# Altium PCB PCB.PcbDoc (part 10 of 10)
Units mil, origin at the board's own origin, x right, y up, seen from the top; angles counter-clockwise.
Board outline 3945.89 x 2165.35 mil, 8 copper layers (Component Side, PWR, Signal 1, Signal 2, GND1, Signal 3, GND2, Solder Side), stack 68.504 mil thick; 329 components, 323 nets, 1378 pads, 692 vias.
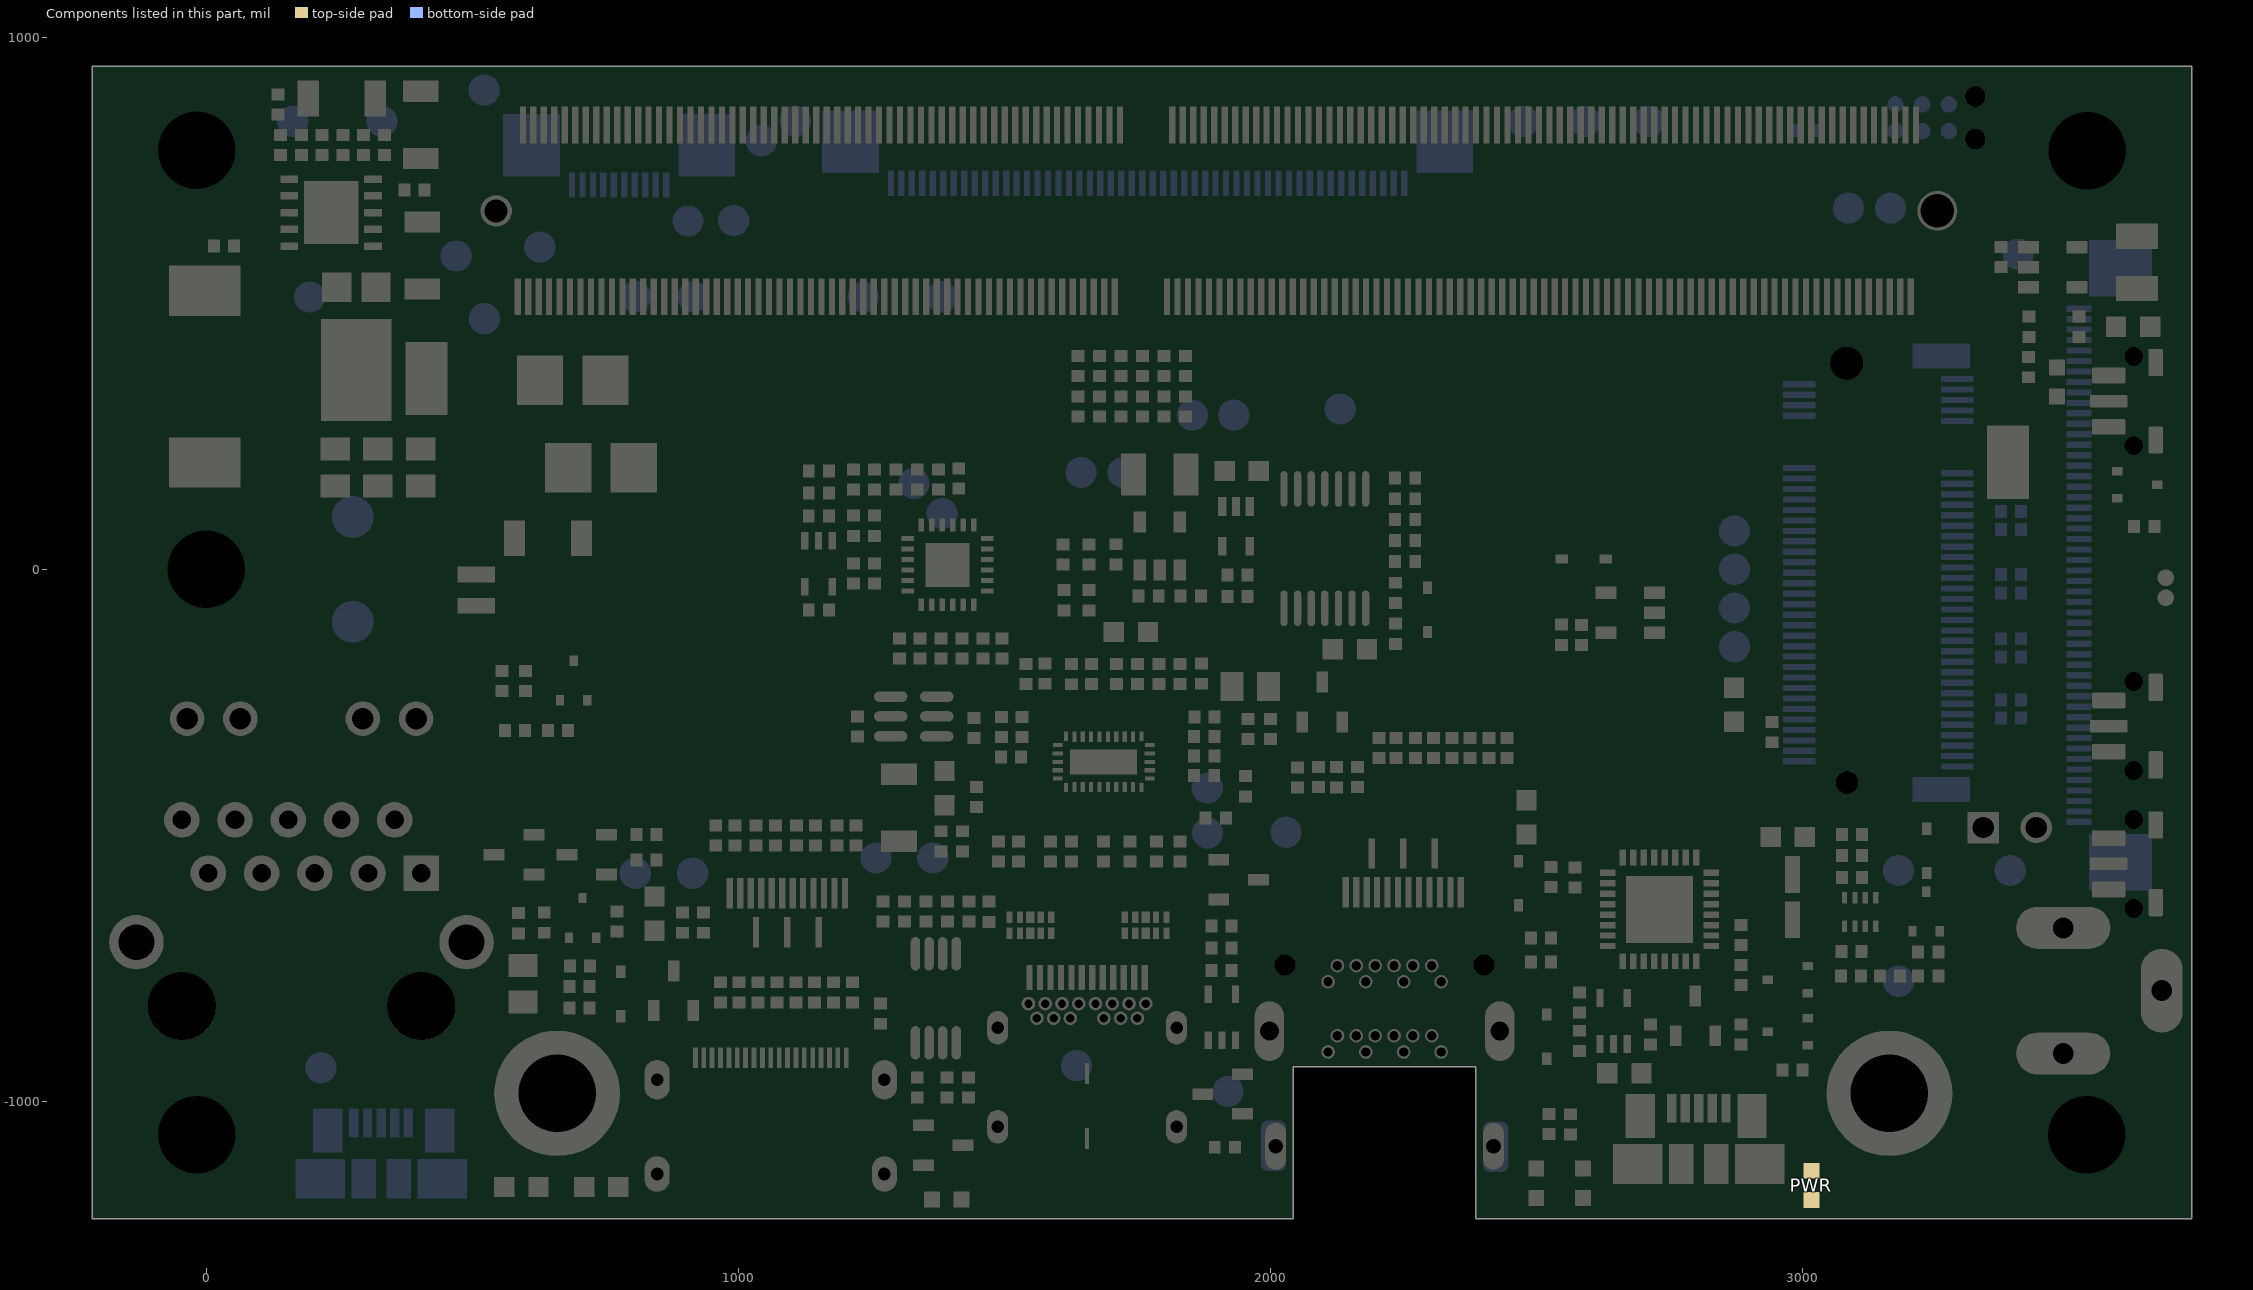
[diagram p16: the components of this part, seen from the top]

## Other copper
Component Side:
  rectangle net VDD_MOD: 584.33,276.57 670.94,869.53
  region net NetC19_2: 131.33,650 76.33,650 76.33,565 46.33,565 46.33,480 76.33,480 206.33,350 287.33,350 287.33,414 236.33,465 235.33,464 211.33,464 131.33,544
  region net GND: 440.33,575 425.33,590 283.33,590 283.33,620 282.33,621 281.33,620 219.33,620 219.33,539 255.33,503 440.33,503
  region net VIN: 328.33,853 342.33,853 370.33,825 370.33,774 391.33,753 454.33,753 454.33,674 453.33,673 429.33,673 375.33,658 375.33,634 379.33,628 472.33,628 486.33,640 491.33,645 491.33,765 391.33,865 367.33,865 342.33,890 323.33,890 322.33,891 322.33,870
  region net GND: 373.99,429.61 530.54,429.61 530.54,205 373.99,205
  region net 5V0_SYS: 214.29,179.1 608.59,179.1 608.59,24.57 340.89,24.57 340.89,78.28 214.29,78.28
  region net 5V0_SYS: -69.01,248.75 178.38,248.75 178.38,179.1 214.29,179.1 214.29,77.44 116.49,77.44 116.49,152.62 -69.01,152.62
  region net GND: 215.05,249.94 215.05,205 529.88,205 529.88,249.94
  region net VDD_MOD: 670.94,276.57 724.19,276.57 724.19,24.89 636.41,24.89 636.41,203.25 582.94,203.25 582.94,350.89 671.12,350.89
  region net GND: 687.3,540.82 687.3,309.74 759.19,309.74 759.19,22.42 871.21,22.42 871.21,401.16 767.77,401.16 767.77,540.82
Solder Side:
  rectangle net 5V0_SYS: 216.47,-146.33 361.76,-49.47
  region net VIN: 318.99,26.75 318.99,138.17 180.73,138.17 180.73,26.75
  pour cut-out: 1040.84,-100.24 ccw(c1040.84,-94.71) 1046.37,-94.71 ccw(c1040.84,-94.71) 1040.84,-89.18 ccw(c1040.84,-94.71) 1035.31,-94.71 ccw(c1040.84,-94.71)
  pour cut-out: 1020.46,-151.94 cw(c1017.64,-151.94) 1017.64,-154.76 cw(c1017.64,-151.94) 1014.82,-151.94 cw(c1017.64,-151.94) 1017.64,-149.12 cw(c1017.64,-151.94)
  pour cut-out: 1064.04,-154.76 ccw(c1064.04,-151.94) 1066.86,-151.94 ccw(c1064.04,-151.94) 1064.04,-149.12 ccw(c1064.04,-151.94) 1061.21,-151.94 ccw(c1064.04,-151.94)
  pour cut-out: 1014.13,-131.13 ccw(c1014.13,-128.31) 1016.96,-128.31 ccw(c1014.13,-128.31) 1014.13,-125.48 ccw(c1014.13,-128.31) 1011.3,-128.31 ccw(c1014.13,-128.31)
  pour cut-out: 1017.64,-107.5 ccw(c1017.64,-104.68) 1020.46,-104.68 ccw(c1017.64,-104.68) 1017.64,-101.86 ccw(c1017.64,-104.68) 1014.82,-104.68 ccw(c1017.64,-104.68)
  pour cut-out: 1040.84,-167.44 ccw(c1040.84,-161.91) 1046.37,-161.91 ccw(c1040.84,-161.91) 1040.84,-156.38 ccw(c1040.84,-161.91) 1035.31,-161.91 ccw(c1040.84,-161.91)
  pour cut-out: 1064.04,-107.5 ccw(c1064.04,-104.68) 1066.86,-104.68 ccw(c1064.04,-104.68) 1064.04,-101.86 ccw(c1064.04,-104.68) 1061.21,-104.68 ccw(c1064.04,-104.68)
  pour cut-out: 1067.55,-131.13 ccw(c1067.55,-128.31) 1070.38,-128.31 ccw(c1067.55,-128.31) 1067.55,-125.48 ccw(c1067.55,-128.31) 1064.73,-128.31 ccw(c1067.55,-128.31)
  region: 245 vertices and 0 holes, not listed, extent 877.52,173.1 907.08,208.85
  region: 1038.69,209.85 1048.87,227.47 1039.33,227.89 ccw(c1039.33,117.01) 1010.78,224.15 932.64,88.81 ccw(c1038.9,117.22) 938.74,71.76 958.94,71.77
  region: 1134.14,54.07 ccw(c1044.28,117.05) 1150.3,88.73 1072.16,224.07 ccw(c1043.64,116.99) 1055.08,227.21 1044.65,209.14
  region: 1118.85,36.21 ccw(c1040.22,114.87) 1130.15,49.43 1120.04,66.96 940.99,66.86 ccw(c1040.52,114.24) 962.65,36.21
  region net 3V3_SYS: 3041.33,349.67 3041.33,-360 2988.33,-413 2988.33,-510 2996.33,-518 3063.33,-518 3071.33,-510 3070.33,-509 3070.33,-438 3051.33,-419 3051.33,-390 3101.33,-340 3101.33,304 3052.33,353 3031.33,353
  pour cut-out: 530.44,-144.83 531.56,-139.84 532.19,-134.37 532.39,-128.56 532.19,-122.75 531.56,-117.31 530.44,-112.36 528.79,-108.02 526.55,-104.43 523.69,-101.7 520.15,-99.98 515.88,-99.37 511.61,-99.98 508.06,-101.7 505.2,-104.43 502.97,-108.02 501.32,-112.36 500.21,-117.31 499.58,-122.75 499.38,-128.56 499.58,-134.37 500.21,-139.84 501.32,-144.83 502.97,-149.22 505.2,-152.85 508.06,-155.62 511.61,-157.38 515.88,-157.99 520.15,-157.38 523.69,-155.62 526.55,-152.85 528.79,-149.22
  pour cut-out: 917.14,-150.42 918.24,-144 916.29,-135.93 910.64,-130.25 901.59,-126.53 889.46,-124.32 889.46,-156.67 891.84,-157.65 894.69,-158.4 897.87,-158.88 901.21,-159.05 908.55,-158.05 913.89,-155.14
  text "Jetson Nano Baseboard" at 927.37,-222.84 h46.98
  text "Rev. 1.4.7    11/2020" at 925.01,-285.35 h46.98
PWR (plane layer: these items are gaps in the copper):
  rectangle: 2163.14,-790.86 2297,-759.37
  rectangle: 2092.27,-944.41 2336.37,-885.35
  lines w11.81: -216.69,594.79 -216.69,597 131.33,597 131.33,14.56 361.3,14.56 361.3,601.09 ; 361.3,598.77 2170.33,598.77 2170.33,688 2186.33,704 2268.33,704 2283.7,688.63 2283.7,598.77 2352.56,598.77 3293.56,598.77 3361.25,531.08 3361.25,496 3484.37,496 3493.33,487.04 3493.33,416 3484.33,407 3361.25,407 3361.33,406.92 3361.33,-439 3385.33,-463 3385.33,-530.57 3361.25,-554.64 3297.25,-618.64 3297.25,-1213.07
GND1 (plane layer: these items are gaps in the copper):
  rectangle: 2163.14,-790.86 2297,-759.37
  rectangle: 2092.27,-944.41 2336.37,-885.35
  lines w7.87: 499.05,-1220 546.29,-1172.75 546.29,-231.81
  lines w9.84: -221.43,-231.81 546.29,-231.81 ; 808.81,-1216.06 808.81,-908.97 ; 808.81,-916.85 808.81,-790.86 ; 1320.62,-1220 1316.68,-1216.06 1316.68,-912.91 1308.81,-905.04 883.61,-905.04 883.61,-790.86 808.81,-790.86 ; 808.81,-790.86 808.81,-790.86
GND2 (plane layer: these items are gaps in the copper):
  rectangle: 2092.27,-944.41 2336.37,-885.35
  lines w7.87: 499.05,-1220 546.29,-1172.75 546.29,-231.81
  lines w9.84: -221.43,-231.81 546.29,-231.81 ; 808.81,-1216.06 808.81,-908.97 ; 808.81,-916.85 808.81,-790.86 883.61,-790.86 883.61,-905.04 1308.81,-905.04 1316.68,-912.91 1316.68,-1216.06

## Silkscreen, mask and mechanical layers (free items; w line width, h text height)
Top Overlay:
  circle w10: c3148.78,-590.7 r3.87
  circle w10: c2740.78,-959.37 r3.52
  circle w10: c348.26,573.7 r8.08
  circle w10: c3535.42,786.93 r118.11
  circle w11.81: c935.15,266.63 r5.98
  circle w11.81: c330.42,432.82 r5.98
  circle w10: c296.87,-38.99 r140.55
  lines w5.91: 1897.47,-181.42 2203.77,-181.42 ; 1919.04,-267.24 1919.04,-262.83 1911.64,-255.43 1842.75,-255.43 1834.87,-263.31 1834.87,-410.47 1841.25,-416.85 1912.82,-416.85 ; 1922.98,-349.92 1919.04,-345.98 1919.04,-263.31 1919.04,-410.63 1912.82,-416.85 ; 2014.01,-516.85 2118.65,-516.85 2118.65,-689.68 2012.35,-689.68 2012.35,-516.85 2012.35,-516.38 1912.82,-416.85 ; 2018.34,-298.74 2026.6,-307.01 ; 2864.79,-429.45 2952.98,-429.45 2952.98,-395.59 3047.86,-395.59 3049.44,-397.16 ; 3130.94,-590.86 3130.94,-531.81 3144.71,-518.03 3144.71,-475.51 3146.29,-473.94 3177.79,-473.94 ; 1605.74,-234.17 1611.25,-239.68 1694.64,-239.68 1894.33,-239.68 1894.33,-149.13 1694.64,-149.13 1610.86,-149.13 1605.74,-154.25 1605.74,-234.17 ; 2207.31,-267.97 2207.31,-166.46 2213.61,-160.16 2477,-160.16 2506.92,-190.08 2506.92,-275.9 2499.83,-282.99 2222.33,-282.99 2207.31,-267.97
  lines w7.87: 54.95,665.43 54.95,714.25 119.52,778.82 119.52,800.47 ; 556.53,-888.5 641.17,-857.79 641.17,-807.79 ; 869.52,-498.74 869.52,-484.96 882.9,-471.57 ; 1138.02,-339.68 1246.29,-364.88 1245.9,-644.01 1253.77,-643.62 ; 1383.69,-557.4 1383.69,-545.59 ; 910.86,-351.49 910.86,-245.59 1136.45,-245.59 1136.45,-351.1 910.86,-351.49
Bottom Solder:
  drawing of 4939 lines, arcs and shapes, not listed
  text "Jetson Nano Baseboard" at 927.35,-222.91 h46.98
  text "Rev. 1.4.7    11/2020" at 924.99,-285.42 h46.98
Mechanical 1:
  lines w3.94: 2039.64,-968.23 cw(c2039.64,-948.54) 2039.64,-928.86 ; 2389.64,-968.23 ccw(c2389.64,-948.54) 2389.64,-928.86
Mechanical 2:
  drawing of 503 lines, arcs and shapes, not listed
  text "Layer" at 4425.15,1053.22 h60
  text "Name" at 4835.06,1053.22 h60
  text "Material" at 5774.8,1053.22 h60
  text "Thickness" at 6644.57,1053.22 h60
  text "Constant" at 7294.4,1053.22 h60
  text "Board Layer Stack" at 7864.26,1053.22 h60
  text "Top Overlay" at 4835.06,933.22 h60
  text "Top Solder" at 4835.06,813.22 h60
  text "Solder Resist" at 5774.8,813.22 h60
  text "0,010mm" at 6644.57,813.22 h60
  text "3,5" at 7294.4,813.22 h60
  text "1" at 4425.15,693.22 h60
  text "Component Side" at 4835.06,693.22 h60
  text "Copper" at 5774.8,693.22 h60
  text "0,035mm" at 6644.57,693.22 h60
  text "Dielectric 1" at 4835.06,573.22 h60
  text "PR2116+PR1080" at 5774.8,573.22 h60
  text "0,190mm" at 6644.57,573.22 h60
  text "4,17" at 7294.4,573.22 h60
  text "2" at 4425.15,453.22 h60
  text "PWR" at 4835.06,453.22 h60
  text "Copper" at 5774.8,453.22 h60
  text "0,035mm" at 6644.57,453.22 h60
  text "Dielectric 3" at 4835.06,333.22 h60
  text "FR4" at 5774.8,333.22 h60
  text "0,200mm" at 6644.57,333.22 h60
  text "4,2" at 7294.4,333.22 h60
  text "3" at 4425.15,213.22 h60
  text "Signal 1" at 4835.06,213.22 h60
  text "Copper" at 5774.8,213.22 h60
  text "0,035mm" at 6644.57,213.22 h60
  text "Dielectric 6" at 4835.06,93.22 h60
  text "PR2116" at 5774.8,93.22 h60
  text "0,240mm" at 6644.57,93.22 h60
  text "4,17" at 7294.4,93.22 h60
  text "4" at 4425.15,-26.78 h60
  text "Signal 2" at 4835.06,-26.78 h60
  text "Copper" at 5774.8,-26.78 h60
  text "0,035mm" at 6644.57,-26.78 h60
  text "Dielectric 5" at 4835.06,-146.78 h60
  text "FR4" at 5774.8,-146.78 h60
  text "0,200mm" at 6644.57,-146.78 h60
  text "4,2" at 7294.4,-146.78 h60
  text "5" at 4425.15,-266.78 h60
  text "GND1" at 4835.06,-266.78 h60
  text "Copper" at 5774.8,-266.78 h60
  text "0,035mm" at 6644.57,-266.78 h60
  text "Dielectric 4" at 4835.06,-386.78 h60
  text "PR2116" at 5774.8,-386.78 h60
  text "0,240mm" at 6644.57,-386.78 h60
  text "4,17" at 7294.4,-386.78 h60
  text "6" at 4425.15,-506.78 h60
  text "Signal 3" at 4835.06,-506.78 h60
  text "Copper" at 5774.8,-506.78 h60
  text "0,035mm" at 6644.57,-506.78 h60
  text "Dielectric 7" at 4835.06,-626.78 h60
  text "FR4" at 5774.8,-626.78 h60
  text "0,200mm" at 6644.57,-626.78 h60
  text "4,2" at 7294.4,-626.78 h60
  text "7" at 4425.15,-746.78 h60
  text "GND2" at 4835.06,-746.78 h60
  text "Copper" at 5774.8,-746.78 h60
  text "0,035mm" at 6644.57,-746.78 h60
  text "Dielectric 8" at 4835.06,-866.78 h60
  text "PR2116+PR1080" at 5774.8,-866.78 h60
  text "0,190mm" at 6644.57,-866.78 h60
  text "4,17" at 7294.4,-866.78 h60
  text "8" at 4425.15,-986.78 h60
  text "Solder Side" at 4835.06,-986.78 h60
  text "Copper" at 5774.8,-986.78 h60
  text "0,035mm" at 6644.57,-986.78 h60
  text "Bottom Solder" at 4835.06,-1106.78 h60
  text "Solder Resist" at 5774.8,-1106.78 h60
  text "0,010mm" at 6644.57,-1106.78 h60
  text "3,5" at 7294.4,-1106.78 h60
  text "Bottom Overlay" at 4835.06,-1226.78 h60
  text "Solder mask, T/B: matt black" at 4353.25,-1386.59 h60
  text "Legend T/B: white" at 4353.25,-1519.92 h60
  text "Surface finish: chem Ni/Au" at 4352.87,-1650.84 h60
  text "Min track width: 0.125 mm" at 4353.25,-1786.58 h60
  text "Min clearance: 0.125 mm" at 4353.25,-1919.91 h60
  text "Min hole size: 0.15 mm" at 4356.04,-2053.62 h60
  text "Min annular ring: 0.1 mm" at 4353.25,-2186.57 h60
  text "Min hole-to-hole: 0.254 mm" at 4353.25,-2319.9 h60
Mechanical 17:
  lines w3.94: 96.21,944.41 3732.27,944.41

## Dimensions
-214.56,945.36 to 3731.33,945.36 on Mechanical 2
3731.33,945.36 to 3731.33,-1220 on Mechanical 2
-214.56,-1220 to 2043.06,-1220 on Mechanical 2
2043.06,-934.57 to 2385.58,-1220 on Mechanical 2

## Text inside footprints (layer, text, board x,y; h text height)
BAT1: Top Overlay "-" at 528.41,-94.76 h30 r180; Top Overlay "+" at 594.92,-26.57 h30
J1: Top Overlay "19" at 882.27,-991.94 h30; Top Overlay "1" at 1218.57,-990.63 h30; Mechanical 15 "PCB Edge" at 990.45,-1163.71 h35
J2: Mechanical 1 "PCB edge" at 2102.98,-1200.71 h30
J3: Top Overlay "1" at 402.45,-644.52 h30; Top Overlay "2" at 402.45,-484.58 h30; Top Overlay "9" at -7.46,-644.52 h30; Top Overlay "10" at -86.9,-547.08 h30; Top Overlay "11" at 379.15,-353.24 h30; Top Overlay "12" at 271.11,-354.3 h30; Top Overlay "13" at 42.32,-351.13 h30; Top Overlay "14" at -58.3,-352.18 h30
J6: Bottom Overlay "50" at 2347.33,708.13 h30; Bottom Overlay "1" at 1245.33,710.13 h30
J7: Bottom Overlay "50" at 3488.02,533.55 h35.43 r270; Bottom Overlay "1" at 3492.35,-523.54 h35.43 r270
M1: Mechanical 3 "its real position may differ" at 2318.65,-932.6 h30 r180; Mechanical 3 "module mounting holes placement taken from 3D models" at 2673.97,-974.92 h30 r180